# KiCad board MyKeyboard.kicad_pcb
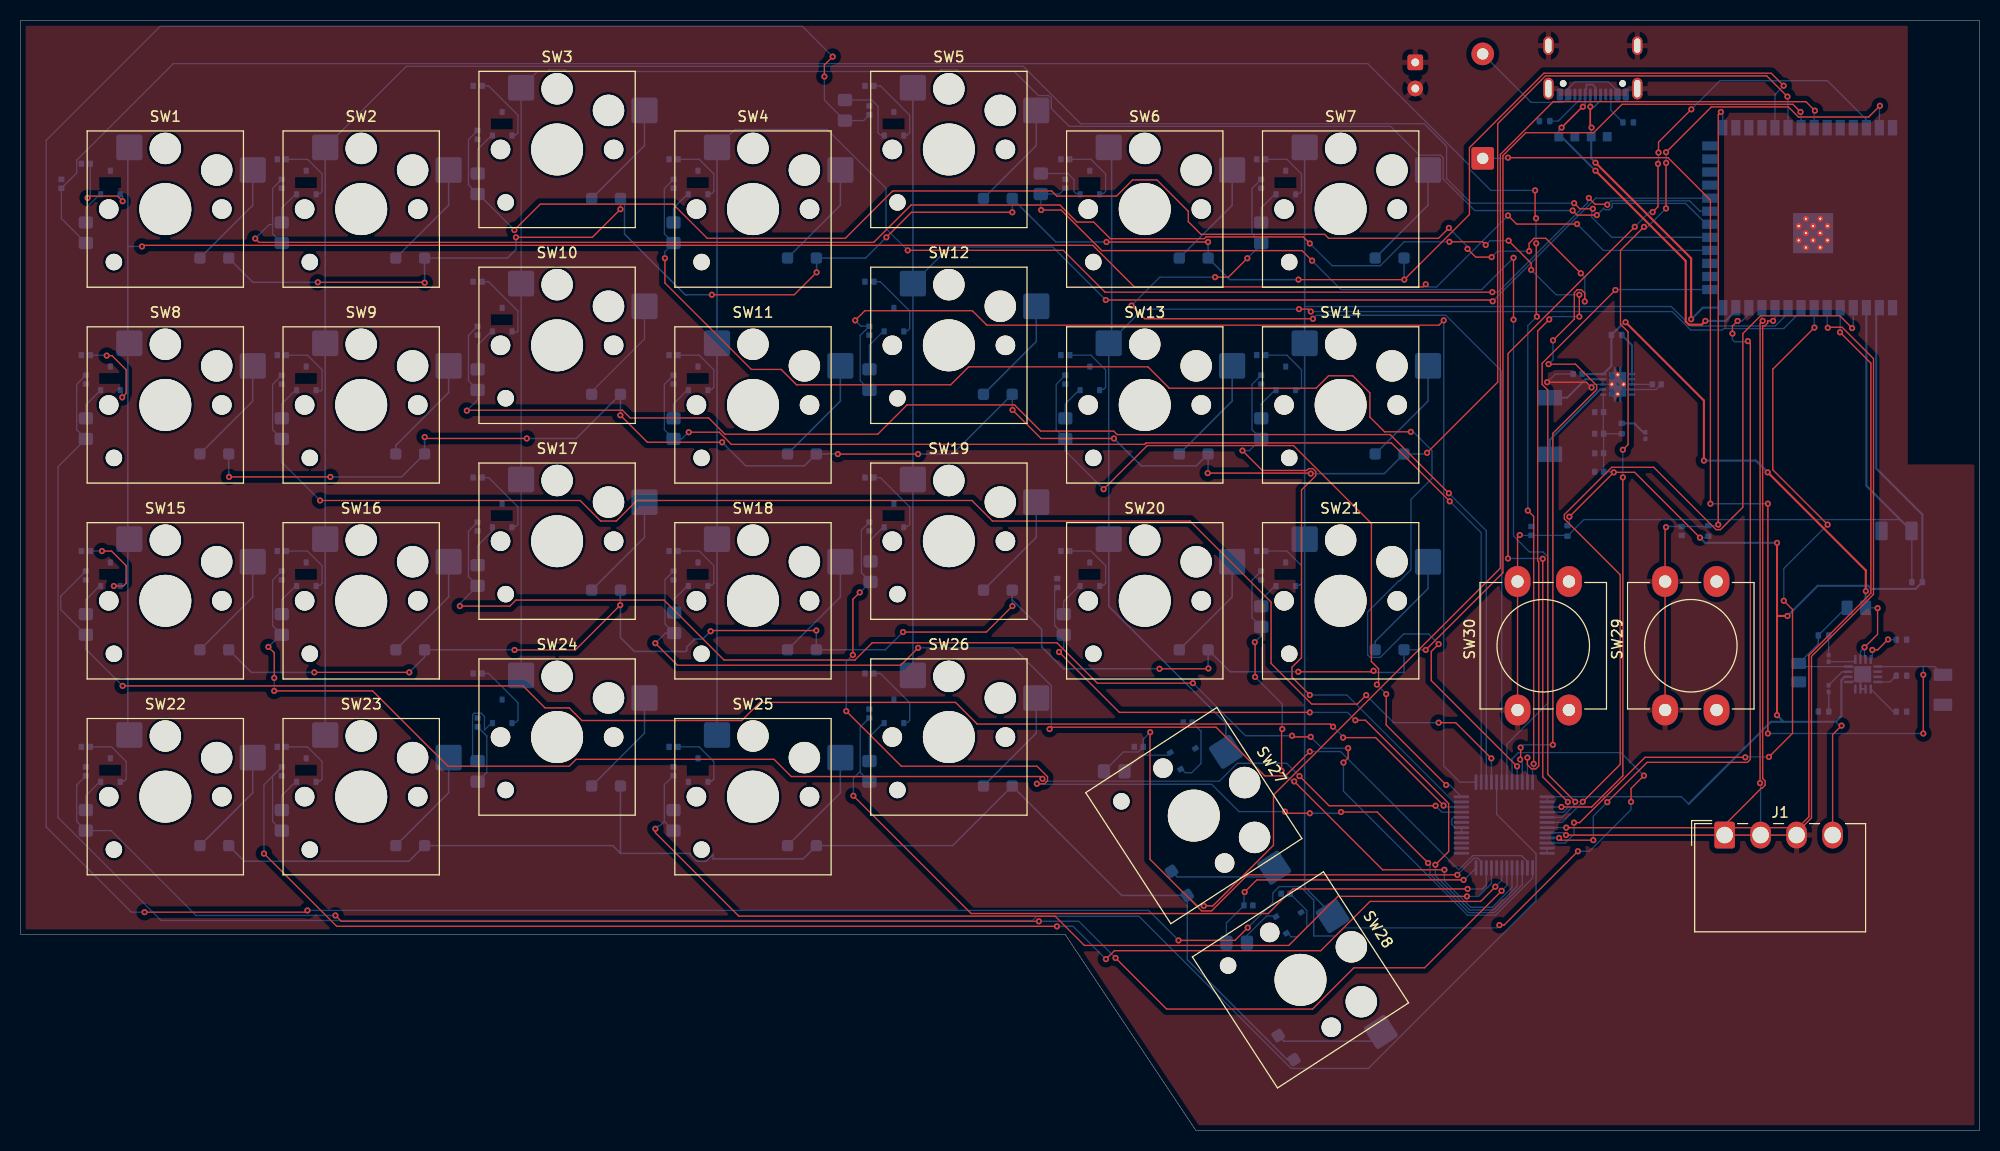
[diagram p0: board, top side]
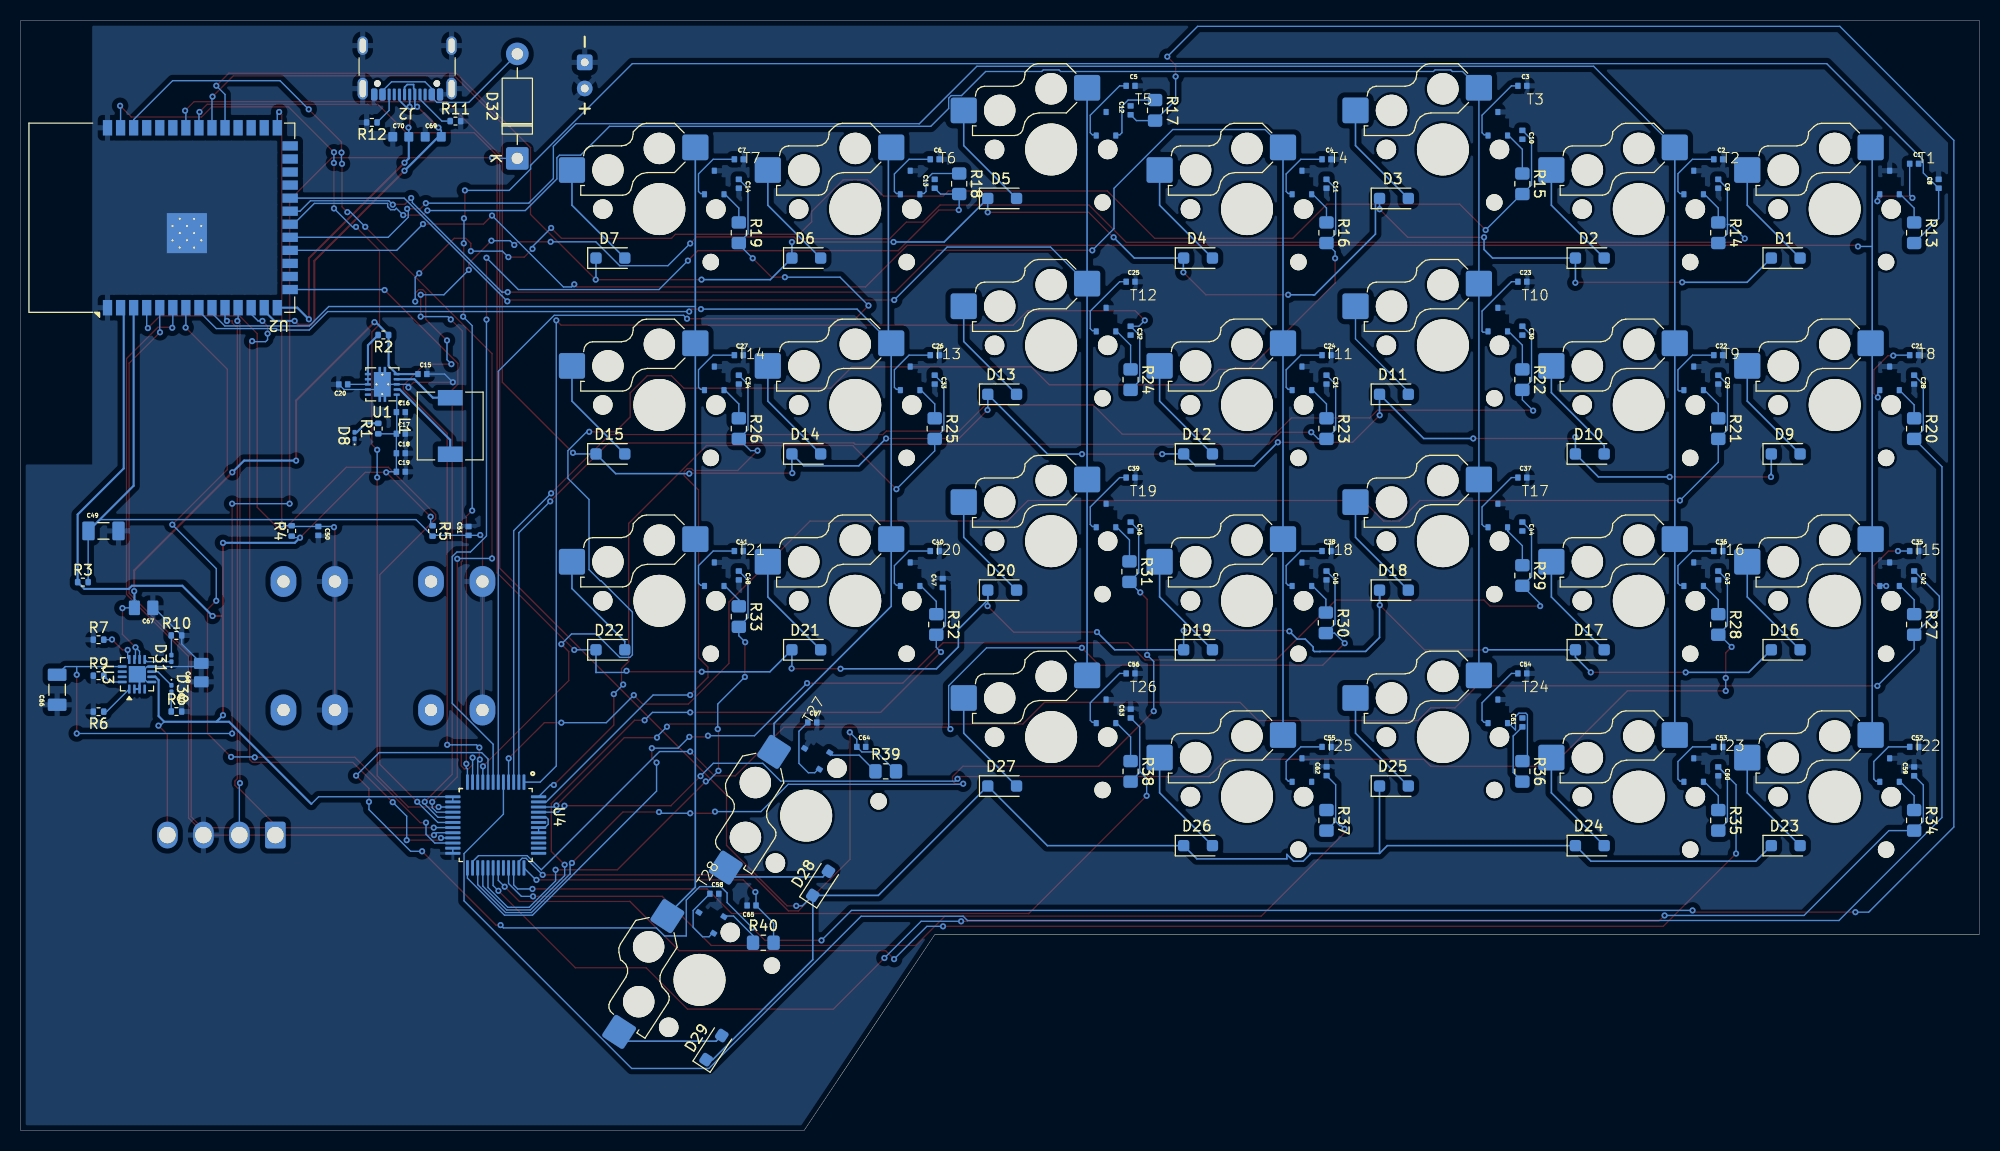
[diagram p1: board, bottom side, seen from below]

Outline 190.5 x 107.95 mm; copper layers: Front, In1.Cu, In2.Cu, Back. Coordinates in mm from the lower left corner of the outline.
Outline path: 0,107.95 0,19.05 101.6,19.05 114.3,0 190.5,0 190.5,107.95 closed
Stack: Front 0.035mm / dielectric 0.4801mm FR4 er 4.5 / In1.Cu 0.035mm / dielectric 0.4801mm FR4 er 4.5 / In2.Cu 0.035mm / dielectric 0.4801mm FR4 er 4.5 / Back 0.035mm

## Placement (name value [footprint] x y rotation side)
BT1  Batte47ky  [Battery]  135.64 102.62 90 bottom
C1  1uF  [CAPC1005X55N]  6.35 94.02 180 bottom
C2  1uF  [CAPC1005X55N]  25.4 94.46 180 bottom
C3  1uF  [CAPC1005X55N]  44.45 101.6 180 bottom
C4  1uF  [CAPC1005X55N]  63.5 94.46 180 bottom
C5  1uF  [CAPC1005X55N]  82.55 101.6 180 bottom
C6  1uF  [CAPC1005X55N]  101.6 94.46 180 bottom
C7  1uF  [CAPC1005X55N]  120.65 94.46 180 bottom
C8  100pF  [CAPC1005X55N]  3.97 92.07 90 bottom
C9  100pF  [CAPC1005X55N]  25.4 92.07 270 bottom
C10  100pF  [CAPC1005X55N]  44.45 96.84 270 bottom
C11  100pF  [CAPC1005X55N]  63.5 92.07 270 bottom
C12  100pF  [CAPC1005X55N]  82.55 99.22 90 bottom
C13  100pF  [CAPC1005X55N]  101.6 92.07 90 bottom
C14  100pF  [CAPC1005X55N]  120.65 92.07 270 bottom
C15  10uF  [CAPC1005X55N]  151.42 73.57 180 bottom
C16  10uF  [CAPC1005X55N]  153.52 69.87 180 bottom
C17  10uF  [CAPC1005X55N]  153.52 67.77 180 bottom
C18  10uF  [CAPC1005X55N]  153.52 65.87 180 bottom
C19  100nF  [CAPC1005X55N]  153.52 64.07 180 bottom
C20  0.1uF  [CAPC1005X55N]  159.12 72.57 0 bottom
C21  1uF  [CAPC1005X55N]  6.35 75.41 180 bottom
C22  1uF  [CAPC1005X55N]  25.4 75.41 180 bottom
C23  1uF  [CAPC1005X55N]  44.45 82.55 180 bottom
C24  1uF  [CAPC1005X55N]  63.5 75.41 180 bottom
C25  1uF  [CAPC1005X55N]  82.55 82.55 180 bottom
C26  1uF  [CAPC1005X55N]  101.6 75.41 180 bottom
C27  1uF  [CAPC1005X55N]  120.65 75.41 180 bottom
C28  100pF  [CAPC1005X55N]  6.35 73.02 270 bottom
C29  100pF  [CAPC1005X55N]  25.4 73.02 270 bottom
C30  100pF  [CAPC1005X55N]  44.45 77.79 270 bottom
C31  100pF  [CAPC1005X55N]  63.5 73.02 270 bottom
C32  100pF  [CAPC1005X55N]  82.55 77.79 270 bottom
C33  100pF  [CAPC1005X55N]  101.6 73.02 270 bottom
C34  100pF  [CAPC1005X55N]  120.65 73.02 270 bottom
C35  1uF  [CAPC1005X55N]  6.35 56.36 180 bottom
C36  1uF  [CAPC1005X55N]  25.4 56.36 180 bottom
C37  1uF  [CAPC1005X55N]  44.45 63.5 180 bottom
C38  1uF  [CAPC1005X55N]  63.5 56.36 180 bottom
C39  1uF  [CAPC1005X55N]  82.55 63.5 180 bottom
C40  1uF  [CAPC1005X55N]  101.6 56.36 180 bottom
C41  1uF  [CAPC1005X55N]  120.65 56.36 180 bottom
C42  100pF  [CAPC1005X55N]  6.35 53.97 270 bottom
C43  100pF  [CAPC1005X55N]  25.4 53.97 270 bottom
C44  100pF  [CAPC1005X55N]  44.45 58.74 270 bottom
C45  100pF  [CAPC1005X55N]  63.5 53.97 270 bottom
C46  100pF  [CAPC1005X55N]  82.55 58.74 270 bottom
C47  100pF  [CAPC1005X55N]  100.82 53.24 90 bottom
C48  100pF  [CAPC1005X55N]  120.65 53.97 270 bottom
C49  1uF  [CAPC3216X180N]  182.44 58.31 180 bottom
C50  0.1uF  [CAPC1005X55N]  161.54 58.31 270 bottom
C51  0.1.uF  [CAPC1005X55N]  146.93 58.31 90 bottom
C52  1uF  [CAPC1005X55N]  6.35 37.31 180 bottom
C53  1uF  [CAPC1005X55N]  25.4 37.31 180 bottom
C54  1uF  [CAPC1005X55N]  44.45 44.45 180 bottom
C55  1uF  [CAPC1005X55N]  63.5 37.31 180 bottom
C56  1uF  [CAPC1005X55N]  82.55 44.45 180 bottom
C57  1uF  [CAPC1005X55N]  113.51 39.69 180 bottom
C58  1uF  [CAPC1005X55N]  123.03 23.02 180 bottom
C59  100pF  [CAPC1005X55N]  6.35 34.92 90 bottom
C60  100pF  [CAPC1005X55N]  25.4 34.92 270 bottom
C61  100pF  [CAPC1005X55N]  44.45 39.69 90 bottom
C62  100pF  [CAPC1005X55N]  63.49 34.94 90 bottom
C63  100pF  [CAPC1005X55N]  82.54 40.55 90 bottom
C64  100pF  [CAPC1005X55N]  108.74 37.31 180 bottom
C65  100pF  [CAPC1005X55N]  119.41 21.88 0 bottom
C66  1uF  [CAPC3216X180N]  186.94 42.86 90 bottom
C67  4.7uF  [CAPC2012X140N]  178.53 50.83 0 bottom
C68  4.7uF  [CAPC2012X140N]  172.93 44.53 90 bottom
C69  22pF  [CAPC1608X90N]  150.37 96.65 180 bottom
C70  22pF  [CAPC1608X90N]  153.53 96.65 180 bottom
D1  D  [D_SOD-123F]  18.84 84.85 180 bottom
D2  D  [D_SOD-123F]  37.89 84.85 180 bottom
D3  D  [D_SOD-123F]  56.94 90.65 180 bottom
D4  D  [D_SOD-123F]  75.99 84.85 180 bottom
D5  D  [D_SOD-123F]  95.04 90.65 180 bottom
D6  D  [D_SOD-123F]  114.09 84.85 180 bottom
D7  D  [D_SOD-123F]  133.14 84.85 180 bottom
D8  POWE47kLED  [LED_0201_0603Metric]  158.02 67.59 90 bottom
D9  D  [D_SOD-123F]  18.84 65.8 180 bottom
D10  D  [D_SOD-123F]  37.89 65.8 180 bottom
D11  D  [D_SOD-123F]  56.94 71.6 180 bottom
D12  D  [D_SOD-123F]  75.99 65.8 180 bottom
D13  D  [D_SOD-123F]  95.04 71.6 180 bottom
D14  D  [D_SOD-123F]  114.09 65.8 180 bottom
D15  D  [D_SOD-123F]  133.14 65.8 180 bottom
D16  D  [D_SOD-123F]  18.84 46.75 180 bottom
D17  D  [D_SOD-123F]  37.89 46.75 180 bottom
D18  D  [D_SOD-123F]  56.94 52.55 180 bottom
D19  D  [D_SOD-123F]  75.99 46.75 180 bottom
D20  D  [D_SOD-123F]  95.04 52.55 180 bottom
D21  D  [D_SOD-123F]  114.09 46.75 180 bottom
D22  D  [D_SOD-123F]  133.14 46.75 180 bottom
D23  D  [D_SOD-123F]  18.84 27.7 180 bottom
D24  D  [D_SOD-123F]  37.89 27.7 180 bottom
D25  D  [D_SOD-123F]  56.94 33.5 180 bottom
D26  D  [D_SOD-123F]  75.99 27.7 180 bottom
D27  D  [D_SOD-123F]  95.04 33.5 180 bottom
D28  D  [D_SOD-123F]  112.7 24.03 123 bottom
D29  D  [D_SOD-123F]  123.07 8.06 123 bottom
D30  LED  [LED_0201_0603Metric]  175.83 42.98 270 bottom
D31  LED  [LED_0201_0603Metric]  175.83 45.91 90 bottom
D32  1N5817  [D_DO-41_SOD81_P10.16mm_Horizontal]  142.19 94.55 90 bottom
J1  Conn_01x04_Pin  [Wago_734-164_1x04_P3.50mm_Horizontal]  165.72 28.73 0 top
J2  USB_C_47keceptacle_USB2.0_16P  [USB_C_Receptacle_GCT_USB4105-xx-A_16P_TopMnt_Horizontal]  152.91 104.44 0 bottom
L1  2.2uH  [L_6.3x6.3_H3]  148.72 68.52 90 bottom
R1  75  [R_0402_1005Metric]  155.72 68.27 90 bottom
R2  100  [R_0402_1005Metric]  155.22 77.37 0 bottom
R3  10k  [R_0402_1005Metric]  184.44 53.33 180 bottom
R4  10k  [R_0402_1005Metric]  164.13 58.31 90 bottom
R5  10k  [R_0402_1005Metric]  150.43 58.31 270 bottom
R6  10k  [R_0402_1005Metric]  182.92 40.73 0 bottom
R7  1.18k  [R_0402_1005Metric]  182.92 47.73 180 bottom
R8  1.5k  [R_0402_1005Metric]  175.34 40.74 180 bottom
R9  1.13k  [R_0402_1005Metric]  182.92 44.23 180 bottom
R10  1.5k  [R_0402_1005Metric]  175.34 48.14 180 bottom
R11  5.1k  [R_0402_1005Metric]  148.21 98.17 180 bottom
R12  5.1k  [R_0402_1005Metric]  156.34 98.04 0 bottom
R13  47k  [R_0805_2012Metric_Pad1.20x1.40mm_HandSolder]  6.35 87.31 270 bottom
R14  47k  [R_0805_2012Metric_Pad1.20x1.40mm_HandSolder]  25.4 87.31 270 bottom
R15  47k  [R_0805_2012Metric_Pad1.20x1.40mm_HandSolder]  44.45 92.07 270 bottom
R16  47k  [R_0805_2012Metric_Pad1.20x1.40mm_HandSolder]  63.5 87.31 270 bottom
R17  47k  [R_0805_2012Metric_Pad1.20x1.40mm_HandSolder]  80.17 99.22 270 bottom
R18  47k  [R_0805_2012Metric_Pad1.20x1.40mm_HandSolder]  99.22 92.07 270 bottom
R19  47k  [R_0805_2012Metric_Pad1.20x1.40mm_HandSolder]  120.65 87.31 270 bottom
R20  47k  [R_0805_2012Metric_Pad1.20x1.40mm_HandSolder]  6.35 68.26 270 bottom
R21  47k  [R_0805_2012Metric_Pad1.20x1.40mm_HandSolder]  25.4 68.26 270 bottom
R22  47k  [R_0805_2012Metric_Pad1.20x1.40mm_HandSolder]  44.45 73.02 270 bottom
R23  47k  [R_0805_2012Metric_Pad1.20x1.40mm_HandSolder]  63.5 68.26 270 bottom
R24  47k  [R_0805_2012Metric_Pad1.20x1.40mm_HandSolder]  82.55 73.02 270 bottom
R25  47k  [R_0805_2012Metric_Pad1.20x1.40mm_HandSolder]  101.6 68.26 270 bottom
R26  47k  [R_0805_2012Metric_Pad1.20x1.40mm_HandSolder]  120.65 68.26 270 bottom
R27  47k  [R_0805_2012Metric_Pad1.20x1.40mm_HandSolder]  6.35 49.21 270 bottom
R28  47k  [R_0805_2012Metric_Pad1.20x1.40mm_HandSolder]  25.4 49.21 270 bottom
R29  47k  [R_0805_2012Metric_Pad1.20x1.40mm_HandSolder]  44.45 53.97 270 bottom
R30  47k  [R_0805_2012Metric_Pad1.20x1.40mm_HandSolder]  63.56 49.37 270 bottom
R31  47k  [R_0805_2012Metric_Pad1.20x1.40mm_HandSolder]  82.66 54.35 270 bottom
R32  47k  [R_0805_2012Metric_Pad1.20x1.40mm_HandSolder]  101.45 49.21 270 bottom
R33  47k  [R_0805_2012Metric_Pad1.20x1.40mm_HandSolder]  120.65 49.98 270 bottom
R34  47k  [R_0805_2012Metric_Pad1.20x1.40mm_HandSolder]  6.35 30.16 270 bottom
R35  47k  [R_0805_2012Metric_Pad1.20x1.40mm_HandSolder]  25.4 30.16 270 bottom
R36  47k  [R_0805_2012Metric_Pad1.20x1.40mm_HandSolder]  44.45 34.92 270 bottom
R37  47k  [R_0805_2012Metric_Pad1.20x1.40mm_HandSolder]  63.5 30.16 270 bottom
R38  47k  [R_0805_2012Metric_Pad1.20x1.40mm_HandSolder]  82.55 34.92 270 bottom
R39  47k  [R_0805_2012Metric_Pad1.20x1.40mm_HandSolder]  106.36 34.92 180 bottom
R40  47k  [R_0805_2012Metric_Pad1.20x1.40mm_HandSolder]  118.27 18.26 180 bottom
SW1  SW_Push  [Hotswap_Choc_V1V2_1.25u]  14.08 89.61 0 top
SW2  SW_Push  [Hotswap_Choc_V1V2_1.00u]  33.13 89.61 0 top
SW3  SW_Push  [Hotswap_Choc_V1V2_1.00u]  52.18 95.41 0 top
SW4  SW_Push  [Hotswap_Choc_V1V2_1.00u]  71.23 89.61 0 top
SW5  SW_Push  [Hotswap_Choc_V1V2_1.00u]  90.28 95.41 0 top
SW6  SW_Push  [Hotswap_Choc_V1V2_1.00u]  109.33 89.61 0 top
SW7  SW_Push  [Hotswap_Choc_V1V2_1.00u]  128.38 89.61 0 top
SW8  SW_Push  [Hotswap_Choc_V1V2_1.25u]  14.08 70.56 0 top
SW9  SW_Push  [Hotswap_Choc_V1V2_1.00u]  33.13 70.56 0 top
SW10  SW_Push  [Hotswap_Choc_V1V2_1.00u]  52.18 76.36 0 top
SW11  SW_Push  [Hotswap_Choc_V1V2_1.00u]  71.23 70.56 0 top
SW12  SW_Push  [Hotswap_Choc_V1V2_1.00u]  90.28 76.36 0 top
SW13  SW_Push  [Hotswap_Choc_V1V2_1.00u]  109.33 70.56 0 top
SW14  SW_Push  [Hotswap_Choc_V1V2_1.00u]  128.38 70.56 0 top
SW15  SW_Push  [Hotswap_Choc_V1V2_1.25u]  14.08 51.51 0 top
SW16  SW_Push  [Hotswap_Choc_V1V2_1.00u]  33.13 51.51 0 top
SW17  SW_Push  [Hotswap_Choc_V1V2_1.00u]  52.18 57.31 0 top
SW18  SW_Push  [Hotswap_Choc_V1V2_1.00u]  71.23 51.51 0 top
SW19  SW_Push  [Hotswap_Choc_V1V2_1.00u]  90.28 57.31 0 top
SW20  SW_Push  [Hotswap_Choc_V1V2_1.00u]  109.33 51.51 0 top
SW21  SW_Push  [Hotswap_Choc_V1V2_1.00u]  128.38 51.51 0 top
SW22  SW_Push  [Hotswap_Choc_V1V2_1.00u]  14.08 32.46 0 top
SW23  SW_Push  [Hotswap_Choc_V1V2_1.00u]  33.13 32.46 0 top
SW24  SW_Push  [Hotswap_Choc_V1V2_1.00u]  52.18 38.26 0 top
SW25  SW_Push  [Hotswap_Choc_V1V2_1.00u]  71.23 32.46 0 top
SW26  SW_Push  [Hotswap_Choc_V1V2_1.00u]  90.28 38.26 0 top
SW27  SW_Push  [Hotswap_Choc_V1V2_2.00u_90deg]  114.1 30.62 303 top
SW28  SW_Push  [Hotswap_Choc_V1V2_2.00u_90deg]  124.47 14.65 303 top
SW29  -  [Push_Button_W12mm]  162.43 47.14 90 top
SW30  -  [Push_Button_W12mm]  148.08 47.14 90 top
T1  ~  [TMR2617S]  8.73 92.07 180 bottom
T2  ~  [TMR2617S]  27.78 92.07 180 bottom
T3  ~  [TMR2617S]  46.83 97.79 180 bottom
T4  ~  [TMR2617S]  65.88 92.07 180 bottom
T5  ~  [TMR2617S]  84.93 97.79 180 bottom
T6  ~  [TMR2617S]  103.98 92.07 180 bottom
T7  ~  [TMR2617S]  123.03 92.07 180 bottom
T8  ~  [TMR2617S]  8.73 73.02 180 bottom
T9  ~  [TMR2617S]  27.78 73.02 180 bottom
T10  ~  [TMR2617S]  46.83 78.74 180 bottom
T11  ~  [TMR2617S]  65.88 73.02 180 bottom
T12  ~  [TMR2617S]  84.93 78.74 180 bottom
T13  ~  [TMR2617S]  103.98 73.02 180 bottom
T14  ~  [TMR2617S]  123.03 73.02 180 bottom
T15  ~  [TMR2617S]  8.73 53.97 180 bottom
T16  ~  [TMR2617S]  27.78 53.97 180 bottom
T17  ~  [TMR2617S]  46.83 59.69 180 bottom
T18  ~  [TMR2617S]  65.88 53.97 180 bottom
T19  ~  [TMR2617S]  84.93 59.69 180 bottom
T20  ~  [TMR2617S]  103.98 53.97 180 bottom
T21  ~  [TMR2617S]  123.03 53.97 180 bottom
T22  ~  [TMR2617S]  8.73 34.92 180 bottom
T23  ~  [TMR2617S]  27.78 34.92 180 bottom
T24  ~  [TMR2617S]  46.83 40.64 180 bottom
T25  ~  [TMR2617S]  65.88 34.92 180 bottom
T26  ~  [TMR2617S]  84.93 40.64 180 bottom
T27  ~  [TMR2617S]  113.17 36.49 122 bottom
T28  ~  [TMR2617S]  123.45 20.53 122 bottom
U1  TPS63001  [Texas_DRC0010J_ThermalVias]  155.32 72.57 0 bottom
U2  ESP32-S3-W47kOOM-1  [ESP32-S3-WROOM-1]  176.78 88.77 90 bottom
U3  BQ2407447kGT  [VQFN-16-1EP_3x3mm_P0.5mm_EP1.6x1.6mm]  179.18 44.37 90 bottom
U4  ADG732BSUZ  [QFP50P900X900X120-49N]  144.29 29.71 270 bottom

## Library data of the parts
BT1 = -: Description: Multiple-cell battery; Sim.Device: V; Sim.Type: DC; Sim.Pins: 1=+ 2=-
C1-C70 = -: Description: Unpolarized capacitor; ki_fp_filters: C_*
D1-D7 D9-D29 = -: Sim.Pins: 1=K 2=A; ki_fp_filters: TO-???* *_Diode_* *SingleDiode* D_*
D8 D30 D31 = -: Description: Light emitting diode; Sim.Pins: 1=K 2=A; ki_fp_filters: LED* LED_SMD:* LED_THT:*
D32 = -: Datasheet: http://www.vishay.com/docs/88525/1n5817.pdf; Description: 20V 1A Schottky Barrier Rectifier Diode, DO-41; ki_fp_filters: D*DO?41*
J1 = -: Description: Generic connector, single row, 01x04, script generated; ki_fp_filters: Connector*:*_1x??_*
J2 = -: Datasheet: https://www.usb.org/sites/default/files/documents/usb_type-c.zip; Description: USB 2.0-only 16P Type-C Receptacle connector; ki_fp_filters: USB*C*Receptacle*
L1 = -: Description: Inductor; ki_fp_filters: Choke_* *Coil* Inductor_* L_*
R1-R40 = -: Description: Resistor; ki_fp_filters: R_*
SW1-SW7 = -: Description: Push button switch, normally open, two pins, 45° tilted
SW29 SW30 = -: Description: Common 12mmx12mm Push Button
U1 = -: Datasheet: http://www.ti.com/lit/ds/symlink/tps63000.pdf; Description: Buck-Boost Converter, 1.8-5.5V Input Voltage, 1.7A Switch Current, 3.3V Output Voltage, VSON-10; ki_fp_filters: Texas*DRC0010J*
U2 = -: Datasheet: https://www.espressif.com/sites/default/files/documentation/esp32-s3-wroom-1_wroom-1u_datasheet_en.pdf; Description: RF Module, ESP32-S3 SoC, Wi-Fi 802.11b/g/n, Bluetooth, BLE, 32-bit, 3.3V, onboard antenna, SMD; ki_fp_filters: ESP32?S3?WROOM?1*
U3 = -: Datasheet: http://www.ti.com/lit/ds/symlink/bq24074.pdf; Description: USB-Friendly Li-Ion Battery Charger and Power-Path Management, VQFN-16; ki_fp_filters: VQFN*1EP*3x3mm*P0.5mm*
U4 = -: MF: Analog Devices; DESCRIPTION: Analog Multiplexer Single 32: 1 48-Pin TQFP Tray; PACKAGE: TQFP-48 Analog Devices; PRICE: None; Package: TQFP -48 Analog Devices; Check_prices: https://www.snapeda.com/parts/ADG732BSUZ/Analog+Devices/view-part/?ref=eda; STANDARD: IPC7351B; SnapEDA_Link: https://www.snapeda.com/parts/ADG732BSUZ/Analog+Devices/view-part/?ref=snap; Availability: In Stock; Price: None; Description_1: 32-Channel, 4 Ω 1.8 V to 5.5 V, ±2.5 V, Analog Multiplexer

## Footprints (pads in the part's own frame, mm; a bottom-side part is the same pattern mirrored in y, then rotated)
Battery
  round 1.524 hole 0.762: 1(-1.27,0)
  rrect 1.524x1.524 hole 0.762: 2(1.27,0)
CAPC1005X55N
  rrect 0.54x0.6 smd: 1(-0.432,0) 2(0.432,0)
CAPC1608X90N
  rrect 0.87x0.93 smd: 1(-0.78,0) 2(0.78,0)
CAPC2012X140N
  rrect 1.08x1.42 smd: 1(-0.895,0) 2(0.895,0)
CAPC3216X180N
  rrect 1.2x1.82 smd: 1(-1.46,0) 2(1.46,0)
D_DO-41_SOD81_P10.16mm_Horizontal
  rrect 2.2x2.2 hole 1.1: 1(0,0)
  round 2.2 hole 1.1: 2(10.16,0)
D_SOD-123F
  rrect 1.1x1.1 smd: 1(-1.4,0) 2(1.4,0)
ESP32-S3-WROOM-1
  rect 0.9x0.9 smd: (-2.9,-3.86) (-2.9,-2.46) (-2.9,-1.06) (-1.5,-3.86) (-1.5,-2.46) (-1.5,-1.06) (-0.1,-3.86) (-0.1,-2.46) (-0.1,-1.06)
  rect 1.5x0.9 smd: 1(-8.75,5.26) 2(-8.75,3.99) 3(-8.75,2.72) 4(-8.75,1.45) 5(-8.75,0.18) 6(-8.75,-1.09) 7(-8.75,-2.36) 8(-8.75,-3.63) 9(-8.75,-4.9) 10(-8.75,-6.17) 11(-8.75,-7.44) 12(-8.75,-8.71) 13(-8.75,-9.98) 14(-8.75,-11.25) 27(8.75,-11.25) 28(8.75,-9.98) 29(8.75,-8.71) 30(8.75,-7.44) 31(8.75,-6.17) 32(8.75,-4.9) 33(8.75,-3.63) 34(8.75,-2.36) 35(8.75,-1.09) 36(8.75,0.18) 37(8.75,1.45) 38(8.75,2.72) 39(8.75,3.99) 40(8.75,5.26)
  rect 0.9x1.5 smd: 15(-6.985,-12.5) 16(-5.715,-12.5) 17(-4.445,-12.5) 18(-3.175,-12.5) 19(-1.905,-12.5) 20(-0.635,-12.5) 21(0.635,-12.5) 22(1.905,-12.5) 23(3.175,-12.5) 24(4.445,-12.5) 25(5.715,-12.5) 26(6.985,-12.5)
  round 0.6 hole 0.2: 41(-2.9,-3.16) 41(-2.9,-1.76) 41(-2.2,-3.86) 41(-2.2,-2.46) 41(-2.2,-1.06) 41(-1.5,-3.16) 41(-1.5,-1.76) 41(-0.8,-3.86) 41(-0.8,-2.46) 41(-0.8,-1.06) 41(-0.1,-3.16) 41(-0.1,-1.76)
  rect 3.9x3.9 smd: 41(-1.5,-2.46)
Hotswap_Choc_V1V2_1.00u
  round 1.9 hole 1.9 unplated: (-5.5,0) (5.5,0)
  round 1.6 hole 1.6 unplated: (-5,-5.15)
  round 3.05 hole 3.05 unplated: (0,5.9) (5,3.8)
  round 5.05 hole 5.05 unplated: (0,0)
  rrect 2.55x2.5 smd far side: 1(-3.5,6) 2(8.5,3.8)
Hotswap_Choc_V1V2_1.25u
  round 1.9 hole 1.9 unplated: (-5.5,0) (5.5,0)
  round 1.6 hole 1.6 unplated: (-5,-5.15)
  round 3.05 hole 3.05 unplated: (0,5.9) (5,3.8)
  round 5.05 hole 5.05 unplated: (0,0)
  rrect 2.55x2.5 smd far side: 1(-3.5,6) 2(8.5,3.8)
Hotswap_Choc_V1V2_2.00u_90deg
  round 1.9 hole 1.9 unplated: (-5.5,0) (5.5,0)
  round 1.6 hole 1.6 unplated: (-5,-5.15)
  round 5.05 hole 5.05 unplated: (0,0)
  round 3.05 hole 3.05 unplated: (0,5.9) (5,3.8)
  rrect 2.55x2.5 smd far side: 1(-3.5,6) 2(8.5,3.8)
L_6.3x6.3_H3
  rect 1.5x2.4 smd: 1(-2.75,0) 2(2.75,0)
LED_0201_0603Metric
  rrect 0.318x0.36 smd: (-0.345,0) (0.345,0)
  rrect 0.46x0.4 smd: 1(-0.32,0) 2(0.32,0)
Push_Button_W12mm
  oval 3x2.5 hole 1.2: 1(-6.25,2.5) 1(6.25,2.5) 2(-6.25,-2.5) 2(6.25,-2.5)
QFP50P900X900X120-49N
  rrect 1.49x0.28 smd: 1(-4.17,2.75) 2(-4.17,2.25) 3(-4.17,1.75) 4(-4.17,1.25) 5(-4.17,0.75) 6(-4.17,0.25) 7(-4.17,-0.25) 8(-4.17,-0.75) 9(-4.17,-1.25) 10(-4.17,-1.75) 11(-4.17,-2.25) 12(-4.17,-2.75) 25(4.17,-2.75) 26(4.17,-2.25) 27(4.17,-1.75) 28(4.17,-1.25) 29(4.17,-0.75) 30(4.17,-0.25) 31(4.17,0.25) 32(4.17,0.75) 33(4.17,1.25) 34(4.17,1.75) 35(4.17,2.25) 36(4.17,2.75)
  rrect 0.28x1.49 smd: 13(-2.75,-4.17) 14(-2.25,-4.17) 15(-1.75,-4.17) 16(-1.25,-4.17) 17(-0.75,-4.17) 18(-0.25,-4.17) 19(0.25,-4.17) 20(0.75,-4.17) 21(1.25,-4.17) 22(1.75,-4.17) 23(2.25,-4.17) 24(2.75,-4.17) 37(2.75,4.17) 38(2.25,4.17) 39(1.75,4.17) 40(1.25,4.17) 41(0.75,4.17) 42(0.25,4.17) 43(-0.25,4.17) 44(-0.75,4.17) 45(-1.25,4.17) 46(-1.75,4.17) 47(-2.25,4.17) 48(-2.75,4.17)
R_0402_1005Metric
  rrect 0.54x0.64 smd: 1(-0.51,0) 2(0.51,0)
R_0805_2012Metric_Pad1.20x1.40mm_HandSolder
  rrect 1.2x1.4 smd: 1(-1,0) 2(1,0)
Texas_DRC0010J_ThermalVias
  rrect 0.25x0.34 smd: (-0.25,-1.53) (-0.25,1.53) (0.25,-1.53) (0.25,1.53)
  rrect 1.5x1.06 smd: (0,-0.63) (0,0.63)
  rrect 0.6x0.24 smd: 1(-1.4,1) 2(-1.4,0.5) 3(-1.4,0) 4(-1.4,-0.5) 5(-1.4,-1) 6(1.4,-1) 7(1.4,-0.5) 8(1.4,0) 9(1.4,0.5) 10(1.4,1)
  round 0.5 hole 0.2: 11(-0.575,0) 11(0,-0.95) 11(0,0.95) 11(0.575,0)
  custom 1.65x3.4 smd: 11(0,0)
TMR2617S
  rrect 0.5x0.6 smd: 1(-0.96,-1.02) 2(0.94,-1.02) 3(0,1.27)
USB_C_Receptacle_GCT_USB4105-xx-A_16P_TopMnt_Horizontal
  round 0.65 hole 0.65 unplated: (-2.89,2.605) (2.89,2.605)
  rrect 0.6x1.15 smd: A1(-3.2,3.68) A4(-2.4,3.68) A9(2.4,3.68) A12(3.2,3.68) B1(3.2,3.68) B4(2.4,3.68) B9(-2.4,3.68) B12(-3.2,3.68)
  rrect 0.3x1.15 smd: A5(-1.25,3.68) A6(-0.25,3.68) A7(0.25,3.68) A8(1.25,3.68) B5(1.75,3.68) B6(0.75,3.68) B7(-0.75,3.68) B8(-1.75,3.68)
  oval 1x1.8 hole 0.6x1.4: S1(-4.32,-1.075) S1(4.32,-1.075)
  oval 1x2.1 hole 0.6x1.7: S1(-4.32,3.105) S1(4.32,3.105)
VQFN-16-1EP_3x3mm_P0.5mm_EP1.6x1.6mm
  rrect 0.64x0.64 smd: (-0.4,-0.4) (-0.4,0.4) (0.4,-0.4) (0.4,0.4)
  rrect 0.875x0.25 smd: 1(-1.438,0.75) 2(-1.438,0.25) 3(-1.438,-0.25) 4(-1.438,-0.75) 9(1.438,-0.75) 10(1.438,-0.25) 11(1.438,0.25) 12(1.438,0.75)
  rrect 0.25x0.875 smd: 5(-0.75,-1.438) 6(-0.25,-1.438) 7(0.25,-1.438) 8(0.75,-1.438) 13(0.75,1.438) 14(0.25,1.438) 15(-0.25,1.438) 16(-0.75,1.438)
  rect 1.6x1.6 smd: 17(0,0)
Wago_734-164_1x04_P3.50mm_Horizontal
  rrect 2x2.6 hole 1.6: 1(0,0)
  oval 2x2.6 hole 1.6: 2(3.5,0) 3(7,0) 4(10.5,0)

## Nets
GND: BT1.1 BT1.2 C1.2 C2.2 C3.2 C4.2 C5.2 C6.2 C7.2 C8.2 C9.2 C10.2 C11.2 C12.2 C13.2 C14.2 C15.2 C16.2 C17.2 C18.2 C19.2 C20.2 C21.2 C22.2 C23.2 C24.2 C25.2 C26.2 C27.2 C28.2 C29.2 C30.2 C31.2 C32.2 C33.2 C34.2 C35.2 C36.2 C37.2 C38.2 C39.2 C40.2 C41.2 C42.2 C43.2 C44.2 C45.2 C46.2 C47.2 C48.2 C49.2 C50.2 C51.2 C52.2 C53.2 C54.2 C55.2 C56.2 C57.2 C58.2 C59.2 C60.2 C61.2 C62.2 C63.2 C64.2 C65.2 C66.1 C67.1 C68.1 C68.2 C69.1 C70.1 D8.1 J1.3 J2.A1 J2.A12 J2.B1 J2.B12 J2.S1 R6.2 R7.1 R8.2 R9.1 R10.2 R11.2 R12.2 SW29.1 SW30.1 T1.3 T2.3 T3.3 T4.3 T5.3 T6.3 T7.3 T8.3 T9.3 T10.3 T11.3 T12.3 T13.3 T14.3 T15.3 T16.3 T17.3 T18.3 T19.3 T20.3 T21.3 T22.3 T23.3 T24.3 T25.3 T26.3 T27.3 T28.3 U1.3 U1.9 U1.11 U2.1 U2.40 U2.41 U3.2 U3.3 U3.5 U3.8 U3.17 U4.23 U4.24
VBUS: C66.2 D32.1 U3.13
VIN 4V4: C15.1 C67.2 R2.1 U1.5 U3.10 U3.11
47kOW0: D1.1 D2.1 D3.1 D4.1 D5.1 D6.1 D7.1 U2.31
47kOW1: D9.1 D10.1 D11.1 D12.1 D13.1 D14.1 D15.1 U2.32
47kOW2: D16.1 D17.1 D18.1 D19.1 D20.1 D21.1 D22.1 U2.33
47kOW3: D23.1 D24.1 D25.1 D26.1 D27.1 D28.1 D29.1 U2.34
A0: U2.39 U4.15
A1: U2.38 U4.16
A2: U2.15 U4.17
A3: U2.4 U4.18
A4: U2.5 U4.19
CHIP_PU: C49.1 C51.1 R3.2 R5.2 SW30.2 U2.3
COL0: SW1.1 SW8.1 SW15.1 SW22.1 U2.18
COL1: SW2.1 SW9.1 SW16.1 SW23.1 U2.19
COL2: SW3.1 SW10.1 SW17.1 SW24.1 U2.20
COL3: SW4.1 SW11.1 SW18.1 SW25.1 U2.21
COL4: SW5.1 SW12.1 SW19.1 SW26.1 U2.22
COL5: SW6.1 SW13.1 SW20.1 SW27.1 U2.8
COL6: SW7.1 SW14.1 SW21.1 SW28.1 U2.9
CS: U2.6 U4.20
D: U2.17 U4.43